# Altium PCB srn-0006.PcbDoc (part 1 of 2)
Units mm, origin at the board's own origin, x right, y up, seen from the top; angles counter-clockwise.
Board outline 140 x 46.5 mm, 2 copper layers (Top Layer, Bottom Layer), stack 1.57 mm thick; 89 components, 59 nets, 288 pads, 123 vias.
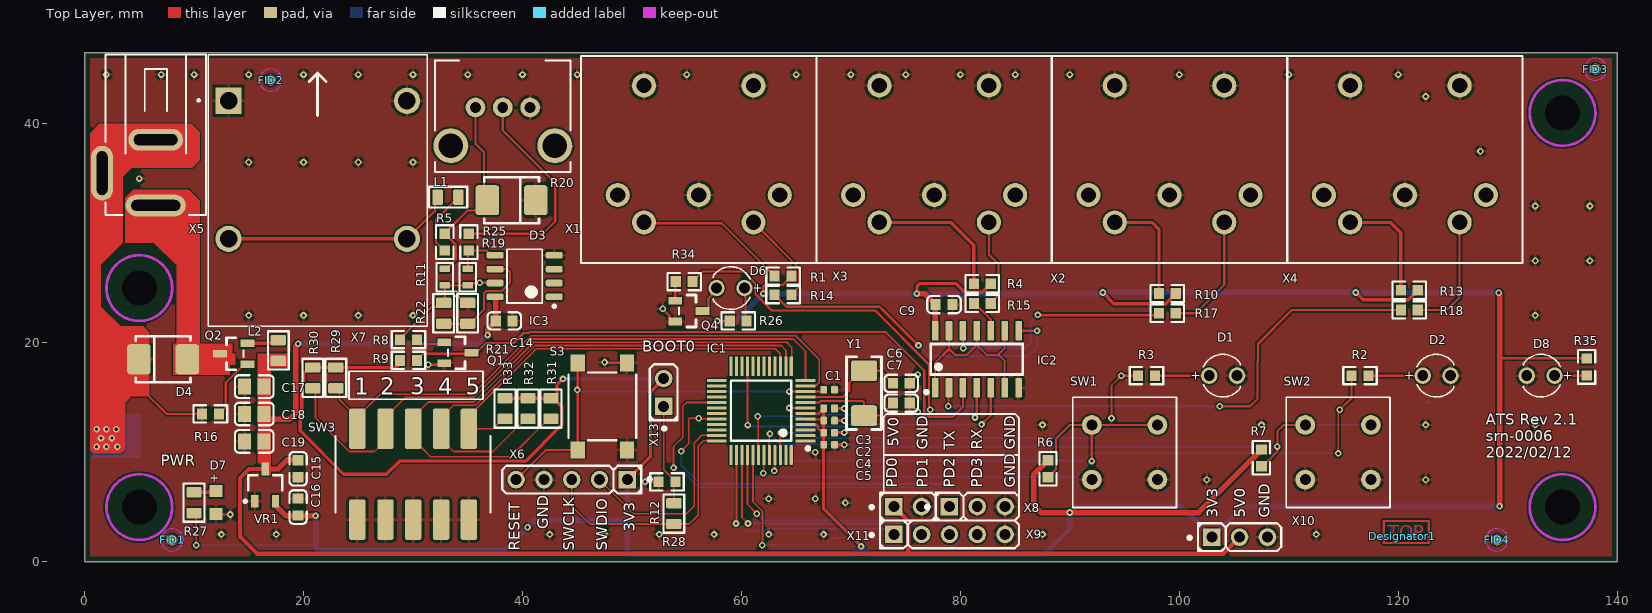
[diagram p0: Top Layer view]
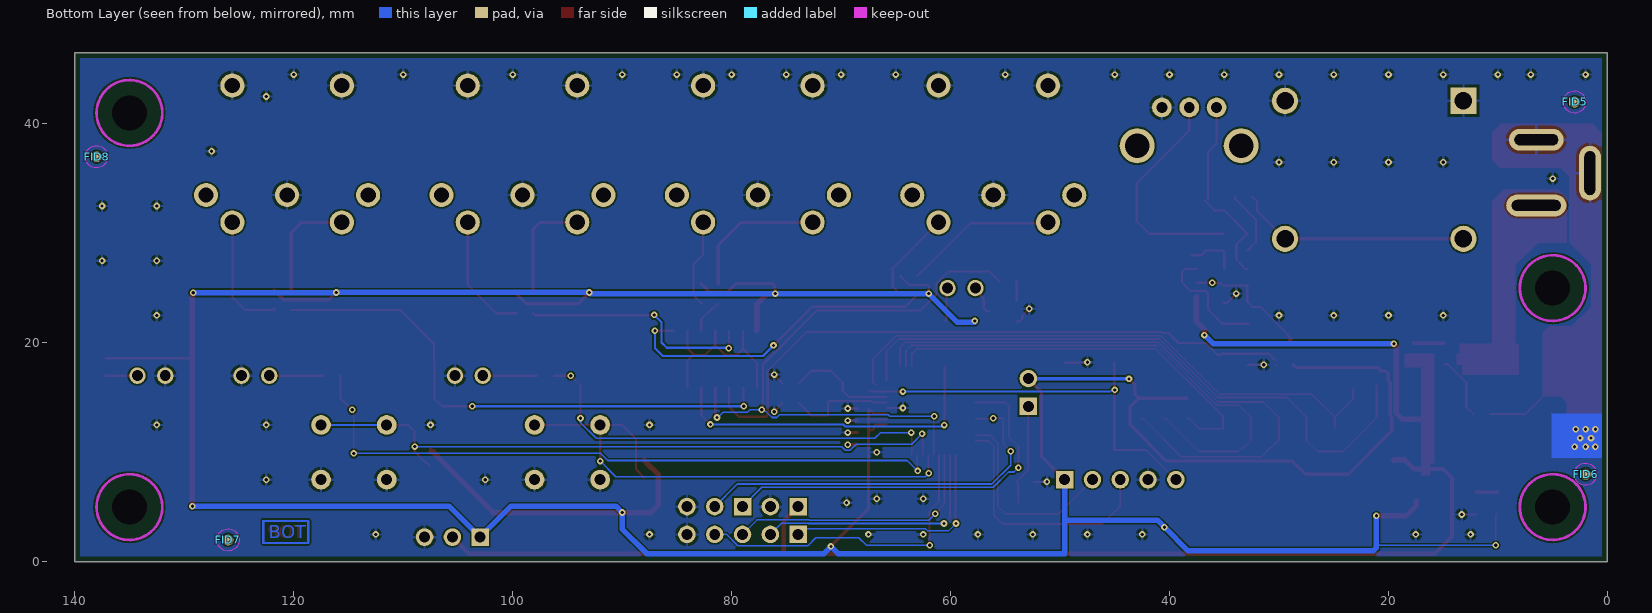
[diagram p1: Bottom Layer view, seen from below]
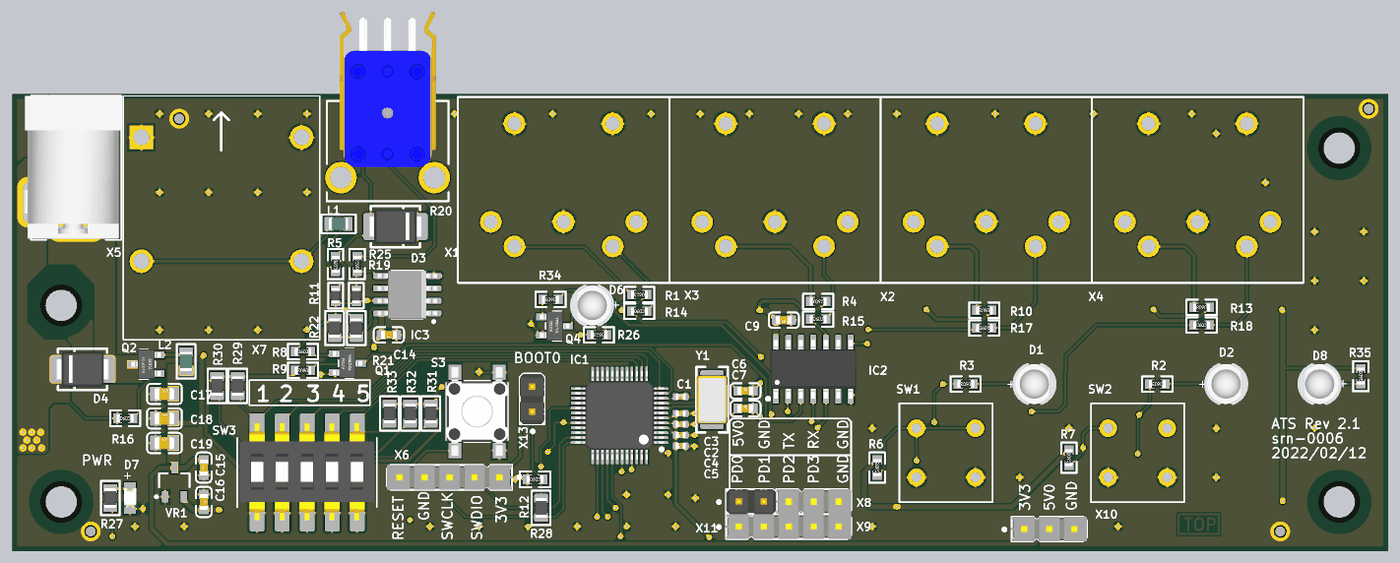
[diagram p3: 3D render of the assembled board from above, using the file's embedded part models]

## Layer stack, top to bottom
Top Solder: solder mask 0.0254, Solder Resist, Dk 3.5
Top Layer: signal copper 0.035
Dielectric 1: core 1.5, FR-4, Dk 4.6
Bottom Layer: signal copper 0.035
Bottom Solder: solder mask 0.0254, Solder Resist, Dk 3.5

## Board outline
0,46.5 140,46.5 140,0 110,0 0,0

## Design rules (kind name [scope] priority, off if disabled: settings)
AssemblyTestPointUsage AssemblyTestPointUsage_1 [All] p2:
AssemblyTestpoint AssemblyTestpoint_1 [All] p2: testpointundercomponent=TRUE minsize=1.016 maxsize=2.54 preferedsize=1.524 minholesize=0 maxholesize=1.016 preferedholesize=0.813 testpointgrid=0.025 usegrid=TRUE gridtolerance=0 allowsidetop=TRUE allowsidebottom=TRUE
Clearance [All] p1: gap=0.15 ignorepadtopadclearanceinfootprint=FALSE
Clearance Clearance_1 [All] p2: gap=0.2 ignorepadtopadclearanceinfootprint=FALSE except(0: Arc-Hole Track-Hole SMDPad-Hole THPad-Hole Via-Hole Fill-Hole Poly-Hole Region-Hole Text-Hole)
ComponentClearance [All] p1 off: gap=0.254 collisioncheckmode=3 verticalgap=0.254 showdistances=FALSE
ComponentClearance ComponentClearance_1 [All] p2 off: gap=0.254 collisioncheckmode=3 verticalgap=0.254 showdistances=FALSE
DiffPairsRouting [All] p1: maxlimit=0.15 minlimit=0.15 mostfreqgap=0.15 toplayer_minwidth=0.2 toplayer_maxwidth=0.45 toplayer_prefwidth=0.45 bottomlayer_minwidth=0.2 bottomlayer_maxwidth=0.45 bottomlayer_prefwidth=0.45 substack1={8C55D120-BB1F-4CA6-B26F-DAD3071C5366} toplayer_{8c55d120-bb1f-4ca6-b26f-dad3071c5366}_mingap=0.127 toplayer_{8c55d120-bb1f-4ca6-b26f-dad3071c5366}_maxgap=0.127 toplayer_{8c55d120-bb1f-4ca6-b26f-dad3071c5366}_prefgap=0.127 toplayer_{8c55d120-bb1f-4ca6-b26f-dad3071c5366}_minwidth=0.373 toplayer_{8c55d120-bb1f-4ca6-b26f-dad3071c5366}_maxwidth=0.373 toplayer_{8c55d120-bb1f-4ca6-b26f-dad3071c5366}_prefwidth=0.373 bottomlayer_{8c55d120-bb1f-4ca6-b26f-dad3071c5366}_mingap=0.127 bottomlayer_{8c55d120-bb1f-4ca6-b26f-dad3071c5366}_maxgap=0.127 bottomlayer_{8c55d120-bb1f-4ca6-b26f-dad3071c5366}_prefgap=0.127 bottomlayer_{8c55d120-bb1f-4ca6-b26f-dad3071c5366}_minwidth=0.373 bottomlayer_{8c55d120-bb1f-4ca6-b26f-dad3071c5366}_maxwidth=0.373 bottomlayer_{8c55d120-bb1f-4ca6-b26f-dad3071c5366}_prefwidth=0.373 substack2={119B6382-F214-4E5A-9785-82E4CE663E7C} toplayer_{119b6382-f214-4e5a-9785-82e4ce663e7c}_mingap=0.127 toplayer_{119b6382-f214-4e5a-9785-82e4ce663e7c}_maxgap=0.127 toplayer_{119b6382-f214-4e5a-9785-82e4ce663e7c}_prefgap=0.127 toplayer_{119b6382-f214-4e5a-9785-82e4ce663e7c}_minwidth=0.373 toplayer_{119b6382-f214-4e5a-9785-82e4ce663e7c}_maxwidth=0.373 toplayer_{119b6382-f214-4e5a-9785-82e4ce663e7c}_prefwidth=0.373 bottomlayer_{119b6382-f214-4e5a-9785-82e4ce663e7c}_mingap=0.127 bottomlayer_{119b6382-f214-4e5a-9785-82e4ce663e7c}_maxgap=0.127 bottomlayer_{119b6382-f214-4e5a-9785-82e4ce663e7c}_prefgap=0.127 bottomlayer_{119b6382-f214-4e5a-9785-82e4ce663e7c}_minwidth=0.373 bottomlayer_{119b6382-f214-4e5a-9785-82e4ce663e7c}_maxwidth=0.373 bottomlayer_{119b6382-f214-4e5a-9785-82e4ce663e7c}_prefwidth=0.373 substack3={3B9A99F5-16E3-4251-BD89-E37581DC5B3B} toplayer_{3b9a99f5-16e3-4251-bd89-e37581dc5b3b}_mingap=0.127 toplayer_{3b9a99f5-16e3-4251-bd89-e37581dc5b3b}_maxgap=0.127 toplayer_{3b9a99f5-16e3-4251-bd89-e37581dc5b3b}_prefgap=0.127 toplayer_{3b9a99f5-16e3-4251-bd89-e37581dc5b3b}_minwidth=0.373 toplayer_{3b9a99f5-16e3-4251-bd89-e37581dc5b3b}_maxwidth=0.373 toplayer_{3b9a99f5-16e3-4251-bd89-e37581dc5b3b}_prefwidth=0.373 bottomlayer_{3b9a99f5-16e3-4251-bd89-e37581dc5b3b}_mingap=0.127 bottomlayer_{3b9a99f5-16e3-4251-bd89-e37581dc5b3b}_maxgap=0.127 bottomlayer_{3b9a99f5-16e3-4251-bd89-e37581dc5b3b}_prefgap=0.127 bottomlayer_{3b9a99f5-16e3-4251-bd89-e37581dc5b3b}_minwidth=0.373 bottomlayer_{3b9a99f5-16e3-4251-bd89-e37581dc5b3b}_maxwidth=0.373 bottomlayer_{3b9a99f5-16e3-4251-bd89-e37581dc5b3b}_prefwidth=0.373 substack4={B1501ECC-8E81-4D34-9C9F-C21B401CDAD8} toplayer_{b1501ecc-8e81-4d34-9c9f-c21b401cdad8}_mingap=0.127 toplayer_{b1501ecc-8e81-4d34-9c9f-c21b401cdad8}_maxgap=0.127 toplayer_{b1501ecc-8e81-4d34-9c9f-c21b401cdad8}_prefgap=0.127 toplayer_{b1501ecc-8e81-4d34-9c9f-c21b401cdad8}_minwidth=0.373 toplayer_{b1501ecc-8e81-4d34-9c9f-c21b401cdad8}_maxwidth=0.373 toplayer_{b1501ecc-8e81-4d34-9c9f-c21b401cdad8}_prefwidth=0.373 bottomlayer_{b1501ecc-8e81-4d34-9c9f-c21b401cdad8}_mingap=0.127 bottomlayer_{b1501ecc-8e81-4d34-9c9f-c21b401cdad8}_maxgap=0.127 bottomlayer_{b1501ecc-8e81-4d34-9c9f-c21b401cdad8}_prefgap=0.127 bottomlayer_{b1501ecc-8e81-4d34-9c9f-c21b401cdad8}_minwidth=0.373 bottomlayer_{b1501ecc-8e81-4d34-9c9f-c21b401cdad8}_maxwidth=0.373 bottomlayer_{b1501ecc-8e81-4d34-9c9f-c21b401cdad8}_prefwidth=0.373 impedanceprofiledriven=TRUE impedanceprofileid={04F2F82F-38AB-4D0A-8382-FEA7E611262D} impedanceprofilevalue=90.000000 maxuncoupledlength=12.7
FabricationTestPointUsage FabricationTestPointUsage_1 [All] p2: valid=0 allowmultiple=FALSE
FabricationTestpoint FabricationTestpoint_1 [All] p2: side=3 testpointundercomponent=TRUE minsize=1.016 maxsize=2.54 preferedsize=1.524 minholesize=0 maxholesize=1.016 preferedholesize=0.813 testpointgrid=0.025 allowsidetop=TRUE allowsidebottom=TRUE usegrid=TRUE gridtolerance=0
FanoutControl Fanout_LCC [IsLCC] p1: bgadir=Out bgaviamode=Centered fanoutstyle=Auto fanoutdirection=Alternating viagrid=0.025 // Fanout_LCC (Default Rule)
FanoutControl Fanout_BGA [IsBGA] p2: bgadir=Out bgaviamode=Centered fanoutstyle=Auto fanoutdirection=Alternating viagrid=0.025 // Fanout_BGA (Default Rule)
FanoutControl Fanout_Default [All] p4: bgadir=Out bgaviamode=Centered fanoutstyle=Auto fanoutdirection=Alternating viagrid=0.025 // Fanout_Default (Default Rule)
FanoutControl Fanout_Small [(CompPinCount < 5)] p5: bgadir=Out bgaviamode=Centered fanoutstyle=Auto fanoutdirection=OutThenIn viagrid=0.025 // Fanout_Small (Default Rule)
FanoutControl Fanout_BGA_1 [IsBGA] p6: bgadir=Out bgaviamode=Centered fanoutstyle=Auto fanoutdirection=Alternating viagrid=0.025 // Fanout_BGA (Default Rule)
FanoutControl Fanout_LCC_1 [IsLCC] p7: bgadir=Out bgaviamode=Centered fanoutstyle=Auto fanoutdirection=Alternating viagrid=0.025 // Fanout_LCC (Default Rule)
FanoutControl Fanout_SOIC_1 [IsSOIC] p8: bgadir=Out bgaviamode=Centered fanoutstyle=Auto fanoutdirection=Alternating viagrid=0.025 // Fanout_SOIC (Default Rule)
FanoutControl Fanout_Small_1 [(CompPinCount < 5)] p9: bgadir=Out bgaviamode=Centered fanoutstyle=Auto fanoutdirection=OutThenIn viagrid=0.025 // Fanout_Small (Default Rule)
FanoutControl Fanout_Default_1 [All] p10: bgadir=Out bgaviamode=Centered fanoutstyle=Auto fanoutdirection=Alternating viagrid=0.025 // Fanout_Default (Default Rule)
Height Height_1 [All] p2: minheight=0 maxheight=25.4 prefheight=12.7
HoleSize HoleSize_1 [All] p1: absolutevalues=TRUE maxlimit=6 minlimit=0.025 maxpercent=80.000 minpercent=20.000
HoleToHoleClearance [All] p1: gap=0.2 allowstackedmicrovias=TRUE
MinimumSolderMaskSliver MinimumSolderMaskSliver_1 [All] p1: minsoldermaskwidth=0.1
PasteMaskExpansion PasteMaskExpansion_1 [All] p2: expansion=0
PlaneClearance PlaneClearance_1 [All] p2: clearance=0.508
PlaneConnect [All] p1: pad.planeconnectstyle=NoConnect pad.reliefexpansion=0.508 pad.reliefentries=4 pad.reliefconductorwidth=0.254 pad.reliefairgap=0.254 via.planeconnectstyle=Relief via.reliefexpansion=0.508 via.reliefentries=4 via.reliefconductorwidth=0.254 via.reliefairgap=0.254
PlaneConnect Via [IsVia] p2: planeconnectstyle=Direct reliefexpansion=0.508 reliefentries=4 reliefconductorwidth=0.254 reliefairgap=0.254
PolygonConnect [All] p1: connectstyle=Relief reliefconductorwidth=0.254 reliefentries=4 polygonreliefangle="90 Angle" airgapwidth=0.254
PolygonConnect Polygon [IsVia] p2: connectstyle=Direct reliefconductorwidth=0.25 reliefentries=4 polygonreliefangle="90 Angle" airgapwidth=0.25
PolygonConnect PolygonConnect_1 [All] p3: connectstyle=Relief reliefconductorwidth=0.254 reliefentries=4 polygonreliefangle="90 Angle" airgapwidth=0.254
RoutingCorners RoutingCorners_1 [All] p2: cornerstyle=45-Degree minsetback=2.54 maxsetback=2.54
RoutingLayers RoutingLayers_1 [All] p2: top layer_v5=TRUE bottom layer_v5=TRUE
RoutingPriority RoutingPriority_1 [All] p2: routingpriority=0
RoutingTopology RoutingTopology_1 [All] p2: topology=Shortest
RoutingVias RoutingVias_1 [All] p1: holewidth=0.3 width=0.6 viastyle="Through Hole" minholewidth=0.3 minwidth=0.6 maxholewidth=0.3 maxwidth=0.6
ShortCircuit ShortCircuit_1 [All] p2: allowed=FALSE
SilkToBoardRegionClearance SilkToBoardRegionClearance_1 [All] p2:
SilkToSilkClearance [All] p1 off: silktosilkclearance=0.254
SilkToSolderMaskClearance SilkToSolderMaskClearance_1 [IsPad] p1: minsilkscreentomaskgap=0.075 clearancetoexposedcopper=TRUE
SolderMaskExpansion [All] p1: expansion=0.075 istentingtop=FALSE
SolderMaskExpansion SolderMaskExpansion_via [IsVia] p2: expansion=0.05 istentingtop=FALSE
UnRoutedNet UnRoutedNet_1 [All] p2:
UnpouredPolygon UnpouredPolygon_1 [All] p2:
Width [All] p1: maxlimit=1 minlimit=0.15 preferedwidth=0.2 substack1={8C55D120-BB1F-4CA6-B26F-DAD3071C5366} toplayer_{8c55d120-bb1f-4ca6-b26f-dad3071c5366}_minwidth=0.2 toplayer_{8c55d120-bb1f-4ca6-b26f-dad3071c5366}_prefwidth=0.3 bottomlayer_{8c55d120-bb1f-4ca6-b26f-dad3071c5366}_minwidth=0.2 bottomlayer_{8c55d120-bb1f-4ca6-b26f-dad3071c5366}_prefwidth=0.3 substack2={119B6382-F214-4E5A-9785-82E4CE663E7C} toplayer_{119b6382-f214-4e5a-9785-82e4ce663e7c}_minwidth=0.2 toplayer_{119b6382-f214-4e5a-9785-82e4ce663e7c}_prefwidth=0.3 bottomlayer_{119b6382-f214-4e5a-9785-82e4ce663e7c}_minwidth=0.2 bottomlayer_{119b6382-f214-4e5a-9785-82e4ce663e7c}_prefwidth=0.3 substack3={3B9A99F5-16E3-4251-BD89-E37581DC5B3B} toplayer_{3b9a99f5-16e3-4251-bd89-e37581dc5b3b}_minwidth=0.2 toplayer_{3b9a99f5-16e3-4251-bd89-e37581dc5b3b}_prefwidth=0.3 bottomlayer_{3b9a99f5-16e3-4251-bd89-e37581dc5b3b}_minwidth=0.2 bottomlayer_{3b9a99f5-16e3-4251-bd89-e37581dc5b3b}_prefwidth=0.3 substack4={B1501ECC-8E81-4D34-9C9F-C21B401CDAD8} toplayer_{b1501ecc-8e81-4d34-9c9f-c21b401cdad8}_minwidth=0.2 toplayer_{b1501ecc-8e81-4d34-9c9f-c21b401cdad8}_prefwidth=0.3 bottomlayer_{b1501ecc-8e81-4d34-9c9f-c21b401cdad8}_minwidth=0.2 bottomlayer_{b1501ecc-8e81-4d34-9c9f-c21b401cdad8}_prefwidth=0.3
18 further rules are at their usual default settings.

## Classes and differential pairs
component class Power_and_Connectors: C15 C16 C17 C18 C19 D4 L2 Q2 R1 R4 R10 R13 R16 VR1 X1 X2 X3 X4 X5 X6 X7 X8 X9 X10 X11
component class Main: C1 C2 C3 C4 C5 C6 C7 C9 C14 D1 D2 D3 D6 D7 D8 IC1 IC2 IC3 L1 Q1 Q4 R2 R3 R5 R6 R7 R8 R9 R11 R12 R14 R15 R17 R18 R19 R20 R21 R22 R25 R26 R27 R28 R29 R30 R31 R32 R33 R34 R35 S3 SW1 SW2 SW3 X13 Y1

## Components (designator, comment, footprint, x,y, rotation, side; value= is the part's Value field where it differs from the comment)
C1 "100nF" CAPC1005X55 68,15.7 r0 top
C2 "100nF" CAPC1005X55 68,12.9 r180 top
C3 "100nF" CAPC1005X55 68,14 r180 top
C4 "1uF" CAPC1005X55 68,11.8 r180 top
C5 "100nF" CAPC1005X55 68,10.7 r180 top
C6 "22pF" 0603_C 74.6,16.3 r0 top
C7 "22pF" 0603_C 74.6,14.5 r0 top
C9 "100nF" 0603_C 78.5,23.5 r180 top
C14 "100nF" 0603_C 38.33,22 r180 top
C15 "1uF" 0603_C 19.5,8.5 r90 top
C16 "1uF" 0603_C 19.5,5 r270 top
C17 "10uF" 0805_C 15.5,16 r0 top
C18 "10uF" 0805_C 15.5,13.5 r0 top
C19 "10uF" 0805_C 15.5,11 r0 top
D1 "Super Red, 2.2V, 60deg" WL-TMRC_3mm_17mm_space 104,17 r0 top locked
D2 "Super Red, 2.2V, 60deg" WL-TMRC_3mm_17mm_space 123.5,17 r0 top locked
D3 "P6SMB6.8CA" SMB(DO-214AA)_S1 39,33.025 r180 top
D4 "P6SMB6.8CA" SMB(DO-214AA)_S1 7.175,18.5 r0 top
D6 "Super Red, 2.2V, 60deg" WL-TMRC_3mm_17mm_space 59,25 r180 top
D7 "RED" WL-SMCW_0805 12,5.4 r90 top
D8 "Super Red, 2.2V, 60deg" WL-TMRC_3mm_17mm_space 133,17 r180 top
Designator1 "Comment" Lagenkenner2L 120.375,2.35 r0 top
FID1 "" FIDUCIAL_1MM 8,2 r0 top
FID2 "" FIDUCIAL_1MM 17,44 r0 top
FID3 "" FIDUCIAL_1MM 138,45 r0 top
FID4 "" FIDUCIAL_1MM 129,2 r0 top
FID5 "" FIDUCIAL_1MM 3,42 r180 bottom
FID6 "" FIDUCIAL_1MM 2,8 r180 bottom
FID7 "" FIDUCIAL_1MM 126,2 r180 bottom
FID8 "" FIDUCIAL_1MM 138,37 r180 bottom
IC1 "STM32G070CBT6" LQFP-48_7x7x05P 61.8,13.8 r90 top
IC2 "74HC04D" SOIC-14_150mil 81.5,18.5 r0 top
IC3 "LM358" SOIC127P600X175-8N 40.2,26.1 r180 top
L1 "600R" INDC2012X85N 33.2,33.3 r0 top
L2 "600R" INDC2012X85N 17.7,19.3 r270 top
Q1 "2N7002 7002" SOT-23(SOT-23-3) 34.1,19.1 r180 top
Q2 "SI2301CDS-T1-GE3" SOT-23(SOT-23-3) 13.625,19 r0 top
Q4 "2N7002 7002" SOT-23(SOT-23-3) 55.2,22.9 r180 top
R1 "33Ω ±1%" 0603_R 63.8,26.1 r180 top
R2 "130Ω ±1%" 0603_R 116.5,17 r180 top
R3 "130Ω ±1%" 0603_R 97,17 r180 top
R4 "33Ω ±1%" 0603_R 82,25.4 r180 top
R5 "130Ω ±1%" 0603_R 32.9,29.2 r270 top
R6 "100KΩ ±1%" 0603_R 88,8.5 r90 top
R7 "100KΩ ±1%" 0603_R 107.5,9.5 r90 top
R8 "10KΩ ±1%" 0603_R 29.591,20.291 r0 top
R9 "10KΩ ±1%" 0603_R 29.591,18.391 r180 top
R10 "33Ω ±1%" 0603_R 98.9,24.5 r180 top
R11 "DNP" RESC1608X55N 32.9,26 r90 top
R12 "100KΩ ±1%" 0603_R 53.2,7.3 r0 top
R13 "33Ω ±1%" 0603_R 121,24.8 r180 top
R14 "10Ω ±1%" 0603_R 63.8,24.4 r0 top
R15 "10Ω ±1%" 0603_R 82,23.6 r0 top
R16 "100KΩ ±1%" 0603_R 11.5,13.5 r0 top
R17 "10Ω ±1%" 0603_R 98.9,22.7 r0 top
R18 "10Ω ±1%" 0603_R 121,23 r0 top
R19 "DNP" RESC1608X55N 35,26 r90 top
R20 "50k" RK09K111 38.2,38 r180 top locked
R21 "10k" RESC2012X70N 35,22.7 r270 top
R22 "220k" RESC2012X70N 32.8,22.7 r90 top
R25 "100KΩ ±1%" 0603_R 35.1,29.2 r90 top
R26 "130Ω ±1%" 0603_R 59.7,22 r180 top
R27 "130R" RESC2012X70N 10,5.4 r90 top
R28 "0R" RESC2012X70N 53.823,4.4 r270 top
R29 "100k" RESC2012X70N 22.95,16.8 r90 top
R30 "100k" RESC2012X70N 20.85,16.8 r90 top
R31 "100k" RESC2012X70N 42.6,14 r90 top
R32 "100k" RESC2012X70N 40.5,14 r90 top
R33 "100k" RESC2012X70N 38.4,14 r90 top
R34 "10KΩ ±1%" 0603_R 54.77,25.6 r180 top
R35 "130Ω ±1%" 0603_R 137.2,17.8 r90 top
S3 "WE_430182070816" 430182070816 47.3,14.2 r90 top
SW1 "PVA1" C&K_PVA1 95,10 r270 top locked
SW2 "PVA1" C&K_PVA1 114.5,10 r270 top locked
SW3 "DIP_5" HAD-05HWAG-2 30,8 r0 top
VR1 "XC6206P332MR" SOT-23-3L 16.5,7 r270 top
X1 "HDR 1x5" "MABP 5S" 56.1,33.5 r0 top locked
X2 "HDR 1x5" "MABP 5S" 99.1,33.5 r0 top locked
X3 "HDR 1x5" "MABP 5S" 77.6,33.5 r0 top locked
X4 "HDR 1x5" "MABP 5S" 120.6,33.5 r0 top locked
X5 "PJ-002AH" PJ3L1400H110 6.5,35.5 r90 top locked
X6 "HDR 1x5" CON_HEADER2.54_1x5W 44.5,7.5 r270 top
X7 "SJ-63072J" CUI_SJ-63072J 11.3,46.3 r270 top locked
X8 "HDR 1x3" CON_HEADER2.54_1x3W 81.54,5.04 r90 top
X9 "HDR 1x5" CON_HEADER2.54_1x5W 79,2.5 r90 top
X10 "HDR 1x3" CON_HEADER2.54_1x3W 105.5,2.25 r90 top
X11 "HDR 1x2" CON_HEADER2.54_1x2W 76.46,5.04 r90 top
X13 "HDR 1x2" CON_HEADER2.54_1x2W 52.9,16.74 r180 top
Y1 "8MHz ±20ppm 20pF" SMD-5032_2P 71.2,15.4 r90 top

## Footprints (in the part's own frame and the unit in brackets; to place one, negate y for a bottom-side part, rotate by r counter-clockwise, add the part's x,y. Pads: shape width x height; smd on the part's side, far side on the other; paste and mask are expansions set on the pad)
0603_C [mm]
  rect 0.93x0.98 smd: 1(-0.77,0) 2(0.77,0)
  silkscreen extent -1.53,-0.79 1.54,0.79, body extent -0.8,-0.4 0.8,0.4, height 0.3
0603_R [mm]
  rect 0.93x0.98 smd: 1(-0.77,0) 2(0.77,0)
  silkscreen extent -1.53,-0.79 1.54,0.79, body extent -0.85,-0.4 0.85,0.4, height 0.56
0805_C [mm]
  rect 1.16x1.47 smd: 1(-0.89,0) 2(0.89,0)
  silkscreen extent -1.77,-1.04 1.77,1.04, body extent -1,-0.62 1,0.63, height 0.77
430182070816 [mm] "SMD Tact Switch, body 6x6mm"
  rect 1.55x1.3 smd: 1(-3.975,2.25) 2(-3.975,-2.25) 3(3.975,2.25) 4(3.975,-2.25)
  silkscreen extent -3.1,-3.1 3.1,3.1, body extent -4.5,-3.1 4.5,3.1, height 7
C&K_PVA1 [mm]
  round 1.8 hole 1: 1(-2.5,3) 2(-2.5,-3) 3(2.5,3) 4(2.5,-3)
  silkscreen extent -5.03,-4.73 5.03,4.73, body extent -4.9,-4.6 4.9,4.6, height 22
CAPC1005X55 [mm] "Chip Capacitor, 2-Leads, Body 1,0x0,5mm, imperial 0402"
  rrect25% 0.6x0.7 smd: 1(-0.5,0) 2(0.5,0)
  body extent -0.5,-0.3 0.5,0.3, height 0.55
CON_HEADER2.54_1x2W [mm]
  rect 1.6x1.6 hole 1: 1(0,2.54)
  round 1.6 hole 1: 2(0,0)
  silkscreen extent -1.27,-1.31 1.27,4.71, body extent -1.27,-1.27 1.27,3.81, height 9.51
CON_HEADER2.54_1x3W [mm]
  rect 1.6x1.6 hole 1: 1(0,2.54)
  round 1.6 hole 1: 2(0,0) 3(0,-2.54)
  silkscreen extent -1.27,-3.81 1.27,4.71, body extent -1.27,-3.81 1.27,3.94, height 8.39
CON_HEADER2.54_1x5W [mm]
  rect 1.6x1.6 hole 1: 1(0,5.08)
  round 1.6 hole 1: 2(0,2.54) 3(0,0) 4(0,-2.54) 5(0,-5.08)
  silkscreen extent -1.27,-6.35 1.27,7.25, body extent -1.27,-6.35 1.27,6.48, height 8.39
CUI_SJ-63072J [mm]
  round 2.4 hole 1.6: 1(4.2,18.15) 2(16.8,18.15) 2(16.8,1.85)
  rect 2.4x2.4 hole 1.6: 1(4.2,1.85)
  silkscreen extent 0,-0.98 24.8,20
FIDUCIAL_1MM [mm]
  round 1 smd mask+0.5: 0(0,0)
  Top Layer keep-out circle w0.01: c0,0 r1.016
HAD-05HWAG-2 [mm] "Black SMD DIP Switches ROHS"
  rrect25% 1.5x3.7 smd: 1(-5.08,4.15) 2(-2.515,4.15) 3(0.025,4.15) 4(2.565,4.15) 5(5.105,4.15) 6(-5.08,-4.15) 7(-2.515,-4.15) 8(0.025,-4.15) 9(2.565,-4.15) 10(5.105,-4.15)
  silkscreen extent -7.09,-3.5 7.09,3.5, body extent -6.85,-4.87 6.85,5.03, height 4.64
INDC2012X85N [mm] "Chip Inductor, 2-Leads, Body 2,0x1,25mm, imperial 0805"
  rrect25% 0.95x1.4 smd: 1(-0.95,0) 2(0.95,0)
  silkscreen extent -1.75,-0.95 1.75,0.95, body extent -1,-0.6 1,0.6, height 0.85
Lagenkenner2L [mm]
  Top Layer lines w0.2: -1.704,-0.621 -1.704,1.379 2.396,1.379 2.396,-0.621 -1.704,-0.621
  Bottom Layer lines w0.2: -1.704,-0.621 -1.704,1.379 2.396,1.379 2.396,-0.621 -1.704,-0.621
  Multi-Layer pour cut-out: -1.804,-0.721 -1.804,1.479 2.496,1.479 2.496,-0.721
LQFP-48_7x7x05P [mm]
  rrect25% 0.28x1.8 smd mask+0.051: 1(-2.75,-4.05) 2(-2.25,-4.05) 3(-1.75,-4.05) 4(-1.25,-4.05) 5(-0.75,-4.05) 6(-0.25,-4.05) 7(0.25,-4.05) 8(0.75,-4.05) 9(1.25,-4.05) 10(1.75,-4.05) 11(2.25,-4.05) 12(2.75,-4.05) 25(2.75,4.05) 26(2.25,4.05) 27(1.75,4.05) 28(1.25,4.05) 29(0.75,4.05) 30(0.25,4.05) 31(-0.25,4.05) 32(-0.75,4.05) 33(-1.25,4.05) 34(-1.75,4.05) 35(-2.25,4.05) 36(-2.75,4.05)
  rrect25% 1.8x0.28 smd mask+0.051: 13(4.05,-2.75) 14(4.05,-2.25) 15(4.05,-1.75) 16(4.05,-1.25) 17(4.05,-0.75) 18(4.05,-0.25) 19(4.05,0.25) 20(4.05,0.75) 21(4.05,1.25) 22(4.05,1.75) 23(4.05,2.25) 24(4.05,2.75) 37(-4.05,2.75) 38(-4.05,2.25) 39(-4.05,1.75) 40(-4.05,1.25) 41(-4.05,0.75) 42(-4.05,0.25) 43(-4.05,-0.25) 44(-4.05,-0.75) 45(-4.05,-1.25) 46(-4.05,-1.75) 47(-4.05,-2.25) 48(-4.05,-2.75)
  silkscreen extent -3.6,-4.43 2.75,2.75, body extent -4.5,-4.5 4.5,4.5, height 1.6
"MABP 5S" [mm]
  round 2.2 hole 1.4: 1(-7.4,0) 2(0,0) 3(7.4,0)
  round 2.2 hole 1.4 paste-2539.97: 4(-5,-2.5) 5(5,-2.5) 6(-5,10) 7(5,10)
  silkscreen extent -10.75,-6.2 10.75,12.7, body extent -10.1,-3.25 10.1,11.72, height 20.5
PJ3L1400H110 [mm] "Powerjack, Pin 1.95mm"
  rrect100% 2x5.5 hole 1 slot 4.5 at 90 deg: 1(-2.95,0)
  rrect100% 2x5 hole 1 slot 4 at 90 deg: 2(3.05,0)
  rrect100% 5x2 hole 1 slot 4 at 0 deg: 3(0,4.9)
  silkscreen extent -3.82,-4.6 10.84,4.58, body extent -3.69,-4.6 10.8,5.4, height 11.01
RESC1608X55N [mm] "Chip Resistor, 2-Leads, Body 1,6x0,85mm, imperial 0603"
  rrect25% 0.6x1 smd: 1(-0.75,0) 2(0.75,0)
  silkscreen extent -1.3,-0.75 1.3,0.75, body extent -0.8,-0.4 0.8,0.4, height 0.55
RESC2012X70N [mm] "Chip Resistor, 2-Leads, Body 2,0x1,25mm, imperial 0805"
  rrect25% 0.95x1.4 smd: 1(-0.95,0) 2(0.95,0)
  silkscreen extent -1.75,-0.95 1.75,0.95, body extent -1,-0.6 1,0.6, height 0.7
RK09K111 [mm] "Alps Potentiomter horizontal platic knob"
  round 1.8 hole 1: 1(-2.5,-3.5) 2(0,-3.5) 3(2.5,-3.5)
  round 3.2 hole 2.2: 4(-4.75,0) 5(4.75,0)
  silkscreen extent -6.2,-7.8 6.2,2.4, body extent -4.9,-20.1 4.9,2.2, height 12
SMB(DO-214AA)_S1 [mm]
  rrect25% 2.159x2.743 smd: A1(-2.21,0) A2(2.21,0)
  silkscreen extent -2.5,-2.1 2.5,2.1, body extent -2.72,-1.78 2.72,1.78, height 2.46
SMD-5032_2P [mm]
  rrect25% 1.9x2.4 smd: 1(-2.05,0) 2(2.05,0)
  silkscreen extent -3.32,-1.6 3.32,1.6, body extent -2.5,-1.6 2.5,1.6, height 0.95
SOIC127P600X175-8N [mm] "SOIC, 8-Leads, Body 5,0x4,0mm (max), Pitch 1,27mm, IPC Medium Density"
  rrect50% 1.55x0.6 smd: 1(-2.7,1.905) 2(-2.7,0.635) 3(-2.7,-0.635) 4(-2.7,-1.905) 5(2.7,-1.905) 6(2.7,-0.635) 7(2.7,0.635) 8(2.7,1.905)
  silkscreen extent -2.83,-2.45 1.6,2.88, body extent -3.02,-2.45 3.02,2.45, height 1.6
SOIC-14_150mil [mm]
  rrect25% 0.6x1.8 smd: 1(-3.81,-2.6) 2(-2.54,-2.6) 3(-1.27,-2.6) 4(0,-2.6) 5(1.27,-2.6) 6(2.54,-2.6) 7(3.81,-2.6) 8(3.81,2.6) 9(2.54,2.6) 10(1.27,2.6) 11(0,2.6) 12(-1.27,2.6) 13(-2.54,2.6) 14(-3.81,2.6)
  silkscreen extent -4.75,-3.15 4.2,1.4, body extent -4.35,-3 4.35,3, height 1.35
SOT-23(SOT-23-3) [mm]
  rect 1.25x0.7 smd: 1(1.25,-0.95) 2(1.25,0.95) 3(-1.25,0)
  silkscreen extent -0.65,-1.46 0.9,1.46, body extent -1.5,-1.5 1.5,1.5, height 1.3
SOT-23-3L [mm] "http://www.aosmd.com/res/packaging_information/SOT-23-3L.pdf"
  rect 1.15x0.65 smd: 1(1.475,-0.95) 2(1.475,0.95) 3(-1.475,0)
  silkscreen extent -0.9,-1.95 1.6,1.55, body extent -0.9,-1.55 0.9,1.55, height 1.25
WL-SMCW_0805 [mm] "SMD Mono-color Chip LED, body 2.0x1.25mm"
  rect 1.1x1.2 smd: A(1.05,0) K(-1.05,0)
  body extent -1,-0.63 1,0.62, height 0.7
WL-TMRC_3mm_17mm_space [mm] "THT Mono-color Round Color LED, 2-leads"
  round 1.5 hole 1: 1(1.27,0) 2(-1.27,0)
  silkscreen extent -1.8,-1.95 1.57,1.95, body extent -2.25,-2.13 2.25,2.13, height 22.3

## Part data
C1 C2 C3 C5: library part CAP_100nF_0402, "X7R 100nF ±10% 16V 0402 Multilayer Ceramic Capacitors MLCC - SMD/SMT ROHS", JLC=C1525, Manufacturer="Samsung Electro-Mechanics", Manufacturer Part Number=CL05B104KO5NNNC, Tolerance=10%, Voltage Rating=16VDC, Alternatives allowed=yes
C4: library part CAP_1uF_0402, "X5R 25V ±10% 1uF 0402 Multilayer Ceramic Capacitors MLCC - SMD/SMT ROHS", JLC=C52923, Manufacturer="Samsung Electro-Mechanics", Manufacturer Part Number=CL05A105KA5NQNC, Tolerance=10%, Voltage Rating=25V, Alternatives allowed=yes
C6 C7: library part "0603 22pF (220) 5% 50V", "Chip capacitors", Manufacturer="Samsung Electro-Mechanics", Package=0603, PartNumber=CL10C220JB8NNNC, SuppliersPartNumber=C1653, Tolerance=5%, Voltage=50V, Capacitance=22pF, ComponentLink1Description="Supplier link", ComponentLink1URL=http://www.szlcsc.com/product/details_2005.html, Supplier=LC
C9 C14: library part "0603 100nF (104) 10% 50V", "Chip capacitors", Manufacturer=YAGEO, Package=0603, PartNumber=CC0603KRX7R9BB104, SuppliersPartNumber=C14663, Tolerance=10%, Voltage=50V, Capacitance=100nF, ComponentLink1Description="Supplier link", ComponentLink1URL=http://www.szlcsc.com/product/details_15331.html, Supplier=LC
C15 C16: library part "0603 1uF (105) 10% 50V", "Chip capacitors", Manufacturer="Samsung Electro-Mechanics", Package=0603, PartNumber=CL10A105KB8NNNC, SuppliersPartNumber=C15849, Tolerance=10%, Voltage=50V, Capacitance=1uF, ComponentLink1Description="Supplier link", ComponentLink1URL=http://www.szlcsc.com/product/details_16531.html, Supplier=LC
C17 C18 C19: library part "0805 10uF (106) 10% 25V", "Chip capacitors", Manufacturer="Samsung Electro-Mechanics", Package=0805, PartNumber=CL21A106KAYNNNE, SuppliersPartNumber=C15850, Tolerance=10%, Voltage=25V, Capacitance=10uF, ComponentLink1Description="Supplier link", ComponentLink1URL=http://www.szlcsc.com/product/details_16532.html, Supplier=LC
D1 D2 D6 D8: library part 151031SS06000_Spacer, "WL-TMRC THT Mono-color Round Color, size 3mm, Super Red, 2.2V, 60deg", Emitting Color="Super Red", Forward Voltage=2.2V, Operating Temperature="-40 to +85degC", Part Number=151031SS06000, Chip Technology=AlGaAs, ComponentLink1Description=Manufacturer, ComponentLink1URL=http://www.we-online.de, ComponentLink2Description=Datasheet, ComponentLink2URL=https://katalog.we-online.de/led/datasheet/151031SS06000.pdf, Dominant Wavelength=640nm, Luminous Intensity=35mcd, Mounting Technology=THT, Packaging=Bulk, Peak Wavelength=650nm, Published Date="October 2019", Publisher="Wurth Elektronik", Size=3mm, Viewing Angle=60deg
D3 D4: library part DIO_P6SMB6.8CA, "TVS 6.8V", JLC=C78395, Manufacturer="Brightking Elec", Voltage Rating=6.8V, Alternatives allowed=YES, Manufacturer Part Number=P6SMB6.8CA
D7: library part LED_0805_RED_AK, "Standard LEDs - SMD WL-SMCW SMDMono TpVw Waterclr 0805 Red", JLC=C84256, Manufacturer="Wurth Elektronik", Manufacturer Part Number=150080RS75000, Voltage Rating=2.0, Alternatives allowed=YES
IC1: "ARM Mikrocontroller - MCU Mainstream Value line, Arm Cortex-M0+ MCU 128 Kbytes of Flash 36 Kbytes RAM, 64", JLC=C529338, Manufacturer=STMicroelectronics, ComponentLink1Description=供应商链接, ComponentLink1URL=http://www.szlcsc.com/product/details_9243.html, Manufacturer Part Number=STM32G070CBT6
IC2: library part 74HC04D_[C5590], "74系列逻辑芯片", Package=SOIC-14_150mil, SuppliersPartNumber=C5590, ComponentLink1Description=供应商链接, ComponentLink1URL=http://www.szlcsc.com/product/details_6041.html, Supplier=LC
IC3: library part IC_LM358DR2G, "General Purpose 2 3V ~ 32V, ±1.5V ~ 16V 1.5mA 1MHz 0.6 V/us SOIC-8_150mil General Purpose Amplifiers RoHS", JLC=C7950, Manufacturer="ON Semiconductor", Manufacturer Part Number=LM358DR2G, Alternatives allowed=NO
L1 L2: library part FB_600R_600mA_0805, "Ferrite Beads 0805 600 OHM", JLC=C1017, Lumira Part Number=MS-1042, Manufacturer="Murata Electronics", Manufacturer Part Number=BLM21AG601SN1D, Tolerance=25%, Alternatives allowed=YES
Q1 Q4: "MOS(场效应管)", Package=SOT-23(SOT-23-3), SuppliersPartNumber=C8545, ComponentLink1Description=供应商链接, ComponentLink1URL=http://www.szlcsc.com/product/details_9040.html, Supplier=LC
Q2: "MOS(场效应管)", Package=SOT-23(SOT-23-3), SuppliersPartNumber=C10487, ComponentLink1Description=供应商链接, ComponentLink1URL=http://www.szlcsc.com/product/details_11030.html, Supplier=LC
R1 R4 R10 R13: library part "0603 33R (33R0) 1%", "Chip resistor", Manufacturer="Uniroyal Elec", Package=0603, PartNumber=0603WAF330JT5E, Power=1/10W, Resistance=33Ω, SuppliersPartNumber=C23140, Tolerance=1%, ComponentLink1Description="Supplier link", ComponentLink1URL=http://www.szlcsc.com/product/details_23867.html, Supplier=LC
R2 R3 R5 R26 R35: library part "0603 130R (1300) 1%", "Chip resistor", Manufacturer="Uniroyal Elec", Package=0603, PartNumber=0603WAF1300T5E, Power=1/10W, Resistance=130Ω, SuppliersPartNumber=C22796, Tolerance=1%, ComponentLink1Description="Supplier link", ComponentLink1URL=http://www.szlcsc.com/product/details_23523.html, Supplier=LC
R6 R7 R12 R16 R25: library part "0603 100K (1003) 1%", "Chip resistor", Manufacturer="Uniroyal Elec", Package=0603, PartNumber=0603WAF1003T5E, Power=1/10W, Resistance=100KΩ, SuppliersPartNumber=C25803, Tolerance=1%, ComponentLink1Description="Supplier link", ComponentLink1URL=http://www.szlcsc.com/product/details_26546.html, Supplier=LC
R8 R9 R34: library part "0603 10K (1002) 1%", "Chip resistor", Manufacturer="Uniroyal Elec", Package=0603, PartNumber=0603WAF1002T5E, Power=1/10W, Resistance=10KΩ, SuppliersPartNumber=C25804, Tolerance=1%, ComponentLink1Description="Supplier link", ComponentLink1URL=http://www.szlcsc.com/product/details_26547.html, Supplier=LC
R11 R19: library part RES_DNF_0603, "Resistor SMD 0603 - not populated", Notes="not populated"
R14 R15 R17 R18: library part "0603 10R (10R0) 1%", "Chip resistor", Manufacturer="Uniroyal Elec", Package=0603, PartNumber=0603WAF100JT5E, Power=1/10W, Resistance=10Ω, SuppliersPartNumber=C22859, Tolerance=1%, ComponentLink1Description="Supplier link", ComponentLink1URL=http://www.szlcsc.com/product/details_23586.html, Supplier=LC
R20: library part POT_50k_lin_small, "Potentiometers 10K HOIRZONTAL", Manufacturer="Alps Alpine", Manufacturer Part Number=RK09K111-LIN10K, Tolerance=20%
R21: library part RES_10k_0805, "Thick Film Resistors - SMD 1/8watt 10Kohms 1% 100ppm", JLC=C17414, Manufacturer="Vishay / Dale", Manufacturer Part Number=CRCW080510K0FKEA, Tolerance=1%, Voltage Rating=150V, Alternatives allowed=YES
R22: library part RES_220k_0805, "Thick Film Resistors - SMD 1/8watt 220Kohms 1%", JLC=C17556, Manufacturer="Vishay / Dale", Manufacturer Part Number=CRCW0805220KFKEA, Tolerance=1%, Voltage Rating=150V, Alternatives allowed=YES
R27: library part RES_130R_0805, "Dickfilmwiderstände - SMD 1/8watt 130ohms 1% 100ppm", JLC=C17437, Manufacturer="Vishay / Dale", Manufacturer Part Number=CRCW0805130RFKEA, Tolerance=1%, Voltage Rating=150V, Alternatives allowed=YES
R28: library part RES_0R_0805, "Thick Film Resistors - SMD 1/8watt ZEROohm Jumper", JLC=C17477, Manufacturer=Vishay, Manufacturer Part Number=CRCW08050000Z0EA, Tolerance=1%, Voltage Rating=150V, Alternatives allowed=YES
R29 R30 R31 R32 R33: library part RES_100k_0805, "Thick Film Resistors - SMD 1/8watt 100Kohms 1% 100ppm", JLC=C17407, Manufacturer="Vishay / Dale", Manufacturer Part Number=CRCW0805100KFKEA, Tolerance=1%, Voltage Rating=150V, Alternatives allowed=YES
S3: "WS-TASV SMT Tact Switch 6x6mm, height 7mm, 160gf", Operating Temperature="-40 to +85degC", Part Number=430182070816, Rated Current=50mA, Rated Voltage=12VDC, ComponentLink1Description=Manufacturer, ComponentLink1URL=http://www.we-online.de, ComponentLink2Description=Datasheet, ComponentLink2URL=https://katalog.we-online.com/em/datasheet/430182070816.pdf, Contact Material="Stainless Steel", Contact Plating=Silver, Height=7mm, Mounting Technology=SMT, Operation Force=160gf, Packaging="Tape and Reel", Published Date="September 2019", Publisher="Wurth Elektronik", Terminal Material="Copper Alloy", Terminal Plating=Silver, Washable=No
SW1 SW2: library part C&K_PVA1_OA_H3_1.2N_V2, "Druckschalter DPST-Schließer Tastenschalter Durchkontaktierung", Manufacturer=C&K, Manufacturer Part Number="PVA1 OA H3 1.2N V2", Alternatives allowed=NO
SW3: library part DIP_HAD-05HWAG-2, "SPST Black 平拨，凸起式 2.54mm 5 SMD DIP Switches ROHS", JLC=C4673, Manufacturer="Cixi Tonver Elec", Manufacturer 2=CUI, Manufacturer Part Number=HAD-05HWAG-2, Manufacturer Part Number 2=DS04-254-1-05BK-SMT, Alternatives allowed=NO
VR1: library part "SOT-23 XC6206P332MR", "低压差线性稳压(LDO)", Package=SOT-23, SuppliersPartNumber=C5446, ComponentLink1Description=供应商链接, ComponentLink1URL=http://www.szlcsc.com/product/details_5896.html, Supplier=LC
X1 X2 X3 X4: library part CON_HEADER_1X5, "Board-to-Board-Steckverbinder, 2.54 mm, 5 Kontakt(e), Stiftleiste 1-Reihig", Manufacturer=BKL, Manufacturer Part Number="MABP 5S", Alternatives allowed=NO
X5: "DC Power Connectors Power Jacks, Inside Contact Diameter 2mm, Outside Contact Diameter 6,5mm", Lumira Part Number=S-QMS-SPEC-32532, Manufacturer="CUI Devices", Voltage Rating=24V, Alternatives allowed=NO, Manufacturer Part Number=PJ-002AH
X6 X9: library part CON_HEADER_1X5, "Board-to-Board-Steckverbinder, 2.54 mm, 5 Kontakt(e), Stiftleiste 1-Reihig", Manufacturer=Samtec, Manufacturer Part Number=TSW-105-07-T-S, Alternatives allowed=YES
X7: library part Phone_Jack_1/4, "Telefon-Steckverbinder 1/4\"JACK HOR CHASIS CON PLSTC MNT", Manufacturer="CUI Devices", Alternatives allowed=NO, Manufacturer Part Number=SJ-63072J
X8 X10: library part CON_HEADER_1X3, "Board-to-Board-Steckverbinder, 2.54 mm, 3 Kontakt(e), Stiftleiste 1-Reihig", Lumira Part Number=S-QMS-SPEC-32502, Manufacturer=Samtec, Manufacturer Part Number=TSW-103-07-T-S, Alternatives allowed=YES
X11 X13: library part CON_HEADER_1X2, "Board-to-Board-Steckverbinder, 2.54 mm, 2 Kontakt(e), Stiftleiste 1-Reihig", Lumira Part Number=S-QMS-SPEC-32507, Manufacturer=Samtec, Manufacturer Part Number=TSW-102-07-T-S, Alternatives allowed=YES
Y1: library part "SMD-5032_2P 8MHz 20ppm 20pF", "贴片晶振", Package=SMD-5032_2P, SuppliersPartNumber=C115962, ComponentLink1Description=供应商链接, ComponentLink1URL=http://www.szlcsc.com/product/details_117214.html, Supplier=LC

## Free pads (board coordinates)
  round 1.524 hole 3.2 unplated: MT-1(5,5) MT-1(5,25) MT-2(135,5) MT-2(135,41)

## Via types
v1: diameter 0.6, hole 0.3, Top Layer to Bottom Layer, 123 vias